# Altium PCB LimeSDR-QPCIe_1v2.PcbDoc (part 18 of 21) (continued)
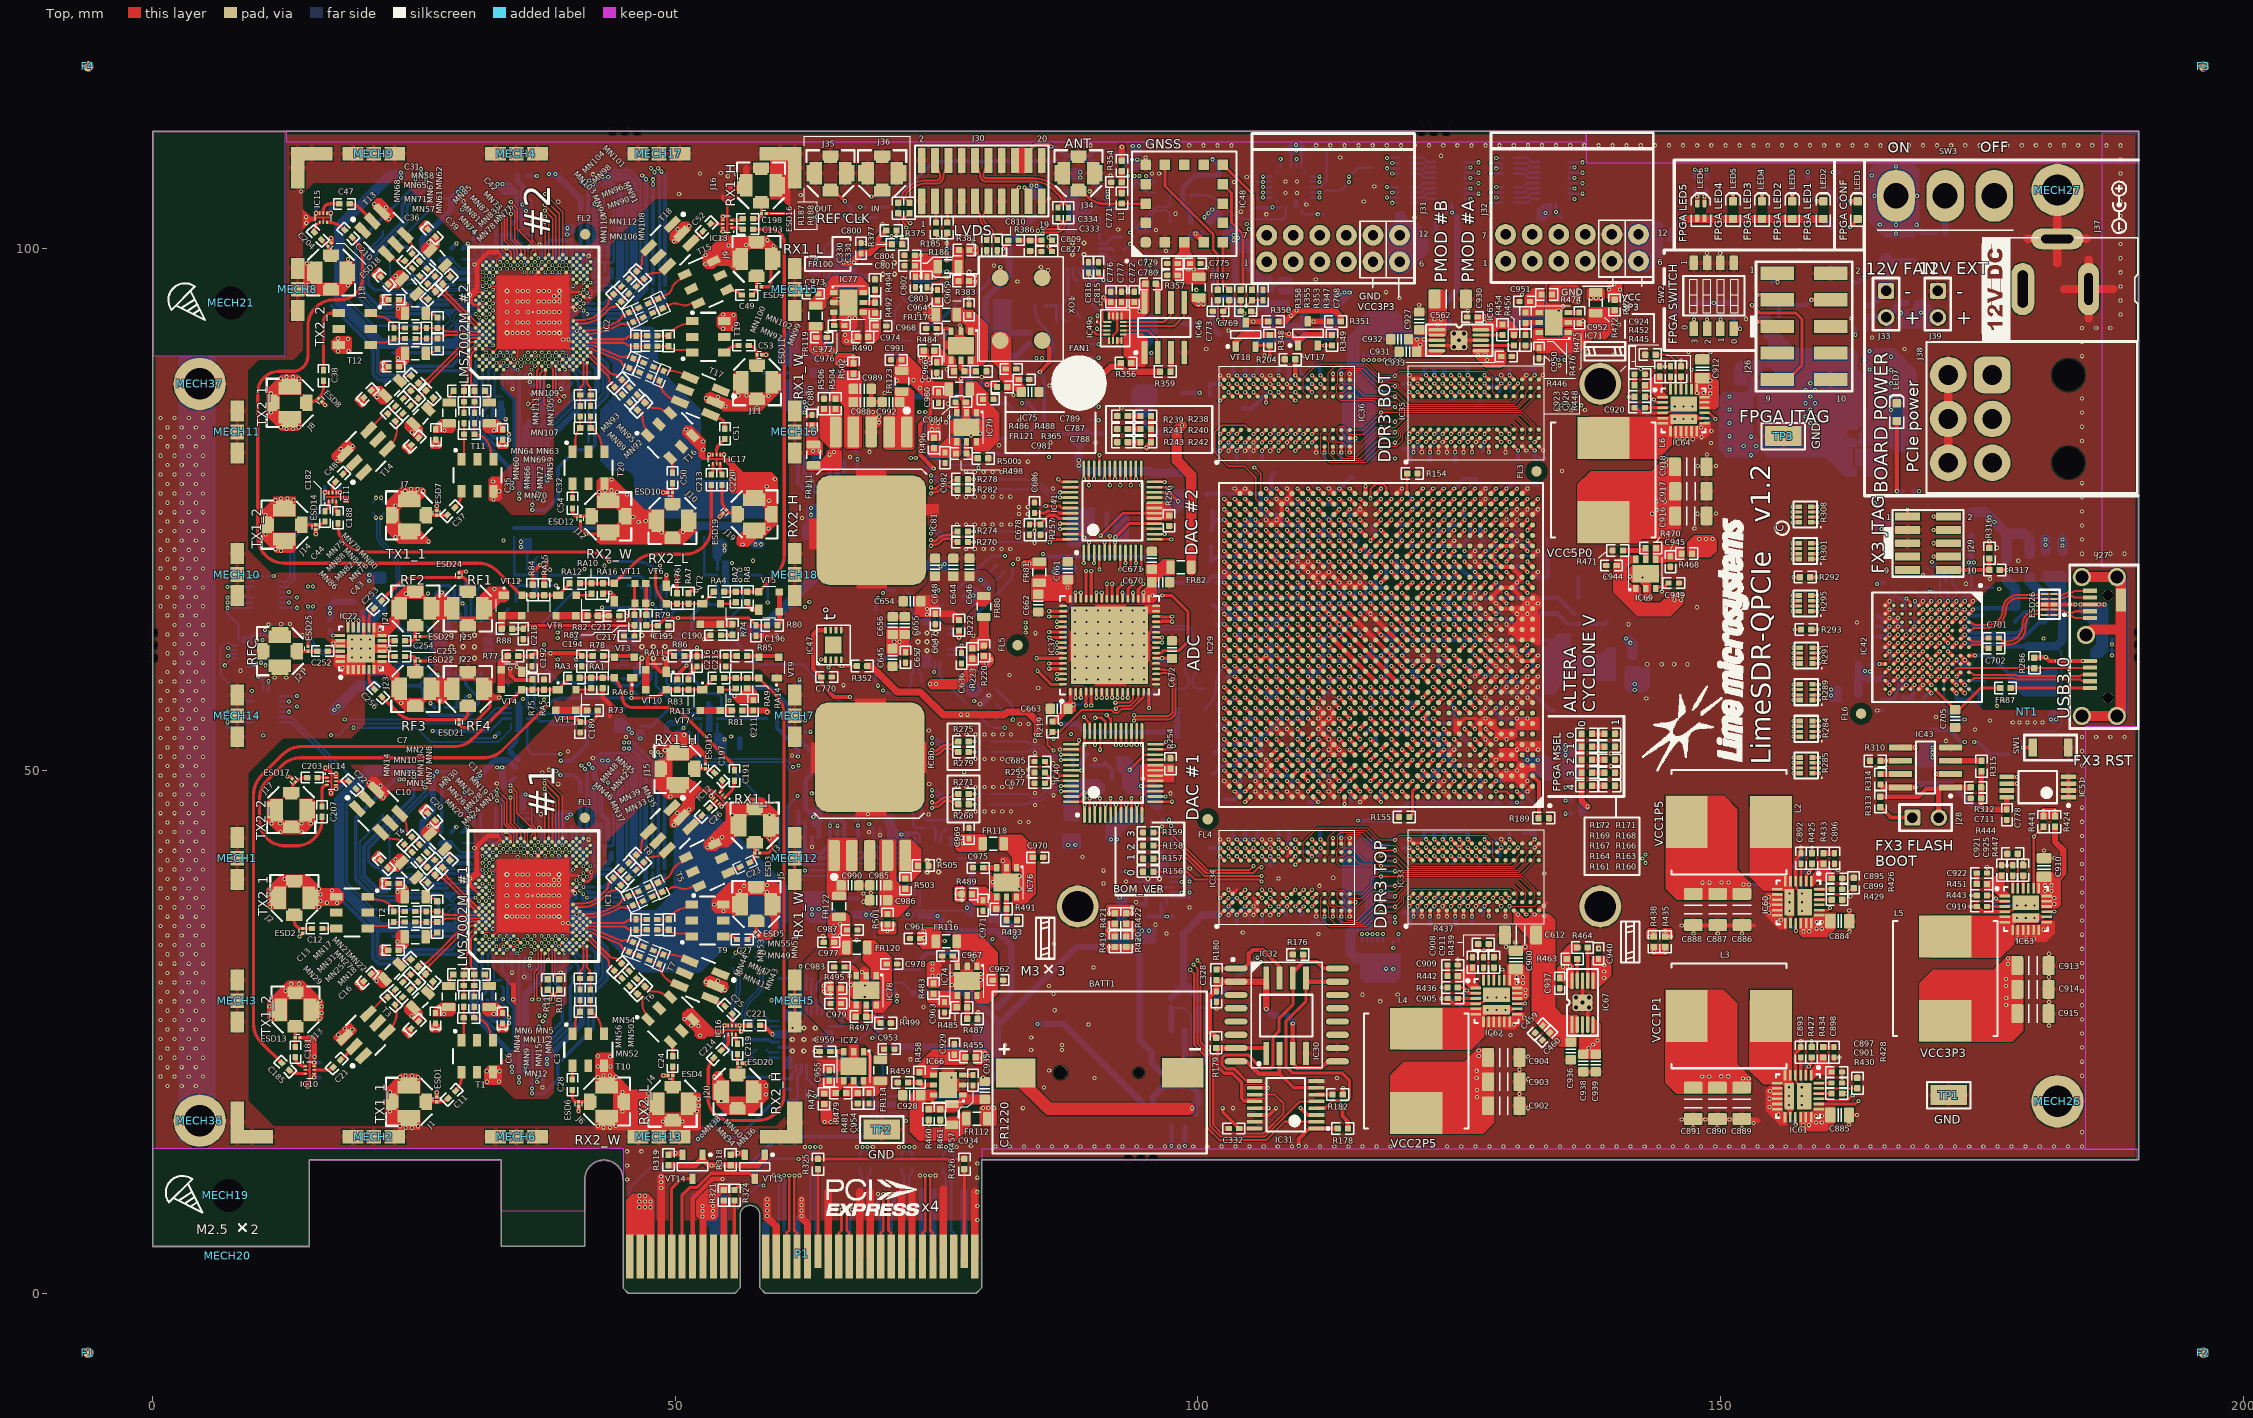
[diagram p0: Top view]
## Nets (pads, with @x,y where several pads share a name; then routed paths per layer and width w, separated by ;. In a path a pad name is that pad's centre, name@x,y a point inside that pad or via, vN(x,y) a via of type N, cw(c..) or ccw(c..) an arc to the next point about the centre after c; other vN are vias at no path point) (continued)
  Top w0.14: IC1.AN9@41.541,35.184 ccw(c41.708,35.351) 41.708,35.115 42.005,35.115
  Top w0.16: 42.005,35.115 42.26,35.115 ccw(c42.308,35.163) 42.308,35.095
  Top w0.2: 42.308,35.095 44.986,35.095 cw(c44.986,34.587) 45.345,34.946 45.378,34.914 ccw(c45.737,35.273) 45.737,34.765 MN53.1@46.229,34.765 MN49.2@47.279,34.765
RXRF11_WBB_N: MN51.1 MN55.1 T9.2 | length 3.9
  Top w0.2: MN55.1@48.279,35.765 49.329,35.765 cw(c49.612,35.765) 49.412,35.965 49.638,36.191 cw(c51.434,34.395) 51.434,36.935 T9.2@51.739,36.935
RXRF11_WBB_P: MN49.1 MN51.2 T9.1 | length 3.6
  Top w0.2: MN49.1@48.279,34.765 49.329,34.765 ccw(c50.222,35.658) 50.222,34.395 T9.1@51.739,34.395
RXRF12_HAB_N: IC1.AM8 MN44.1 MN47.2 | length 6.1
  Top w0.11: IC1.AM8@41.208,34.851 41.804,34.851
  Top w0.15: 41.804,34.851 cw(c41.804,33.792) 42.251,34.752
  Top w0.2: 42.283,34.77 42.485,34.676 ; 42.481,34.683 44.761,33.739 ; 44.724,33.754 ccw(c44.918,34.223) 45.112,33.754 45.155,33.771 cw(c45.349,33.302) 45.544,33.771 MN44.1@45.952,33.602 MN47.2@46.968,33.181
RXRF12_HAB_P: IC1.AN7 MN41.2 MN44.2 | length 5.6
  Top w0.14: IC1.AN7@41.541,34.518 cw(c41.705,34.354) 41.705,34.586
  Top w0.15: 41.705,34.586 41.76,34.586 cw(c41.76,33.774) 42.103,34.51
  Top w0.2: 42.13,34.465 42.333,34.371 ; 42.342,34.372 44.594,33.44 cw(c44.399,32.97) 44.868,33.165 44.886,33.122 ccw(c45.355,33.317) 45.161,32.847 MN44.2@45.57,32.678 MN41.2@46.586,32.257
RXRF12_HBB_N: MN43.1 MN47.1 T7.6 | length 3.7
  Top w0.2: MN47.1@47.892,32.798 MN43.1@48.862,32.397 ; MN43.1@48.862,32.397 49.489,32.397 cw(c49.489,29.857) T7.6@51.285,31.653
RXRF12_HBB_P: MN41.1 MN43.2 T7.4 | length 4.5
  Top w0.2: MN41.1@47.51,31.874 47.879,31.721 MN43.2@48.48,31.473 ccw(c50.265,31.473) 49.003,30.211 49.026,30.187 ccw(c50.822,31.983) T7.4@50.822,29.443
RXRF12_LAB_N: IC1.AP6 MN38.1 MN40.2 | length 5.1
  Top w0.2: IC1.AP6@41.874,34.185 41.909,34.15 cw(c41.75,33.992) 41.974,33.992 43.758,32.208 ccw(c44.117,32.567) 44.117,32.059 44.163,32.059 cw(c44.163,31.551) 44.522,31.911 MN38.1@44.871,31.563 MN40.2@45.613,30.82
RXRF12_LAB_P: IC1.AN5 MN34.2 MN38.2 | length 5.1
  Top w0.2: IC1.AN5@41.541,33.852 41.576,33.817 ccw(c41.734,33.976) 41.734,33.752 43.518,31.968 cw(c43.159,31.609) 43.667,31.609 43.667,31.563 ccw(c44.175,31.563) 43.815,31.204 MN38.2@44.163,30.855 MN34.2@44.906,30.113
RXRF12_LBB_N: MN36.1 MN40.1 T6.2 | length 3.7
  Top w0.2: MN40.1@46.32,30.113 47.063,29.371 MN36.1@47.088,29.345 47.31,29.123 ccw(c47.933,29.746) 47.933,28.865 48.026,28.865 cw(c48.026,27.341) 49.103,28.419 T6.2@49.311,28.211
RXRF12_LBB_P: MN34.1 MN36.2 T6.1 | length 3.7
  Top w0.2: MN34.1@45.613,29.406 45.896,29.123 46.355,28.663 46.603,28.416 cw(c45.98,27.793) 46.861,27.793 46.861,27.7 ccw(c48.385,27.7) 47.307,26.623 T6.1@47.515,26.415
RXRF12_WAB_N: IC1.AM4 MN54.2 MN56.2 | length 4.6
  Top w0.11: 41.208,32.965 IC1.AM4@41.208,33.519
  Top w0.2: MN56.2@40.874,29.047 MN54.2@40.875,30.097 40.874,30.589 cw(c41.382,30.589) 41.023,30.948 41.056,30.981 ccw(c40.696,31.34) 41.204,31.34 41.204,32.814 41.208,32.818 41.208,32.965
RXRF12_WAB_P: IC1.AN3 MN50.2 MN54.1 | length 4.2
  Top w0.2: IC1.AN3@41.541,33.186 41.541,32.822 41.544,32.818 41.544,31.34 ccw(c42.052,31.34) 41.693,30.981 41.726,30.948 cw(c41.366,30.589) 41.874,30.589 MN54.1@41.874,30.097 MN50.2@41.874,29.047
RXRF12_WBB_N: MN52.1 MN56.1 T10.1 | length 3.5
  Top w0.2: T10.1@40.429,24.587 40.429,25.85 cw(c41.966,25.85) MN52.1@40.88,26.937 ; MN52.1@40.874,26.997 40.874,27.647 MN56.1@40.874,28.047
RXRF12_WBB_P: MN50.1 MN52.2 T10.2 | length 3.8
  Top w0.2: MN52.2@41.874,26.997 MN50.1@41.874,28.047 ; MN52.2@41.879,26.937 cw(c41.879,26.487) 42.197,26.805 42.201,26.802 cw(c40.404,25.006) 42.944,25.006 T10.2@42.944,24.587
RXRF21_HAB_N: IC2.AJ15 MN103.1 MN104.2 | length 6.1
  Top w0.2: IC2.AJ15@40.236,93.019 cw(c40.477,92.778) 40.477,93.119 40.968,93.119 41.052,93.119 ccw(c41.052,95.684) 42.865,93.87 43.465,94.47 ccw(c43.106,94.829) 43.614,94.829 43.614,94.875 cw(c44.122,94.875) 43.763,95.235 MN103.1@44.111,95.583 MN104.2@44.854,96.325
RXRF21_HAB_P: IC2.AK14 MN98.2 MN103.2 | length 6
  Top w0.2: IC2.AK14@40.569,92.686 cw(c40.81,92.445) 40.81,92.786 40.985,92.786 41.069,92.786 ccw(c41.069,95.667) 43.106,93.63 43.706,94.23 cw(c44.065,93.871) 44.065,94.379 44.111,94.379 ccw(c44.111,94.887) 44.47,94.527 MN103.2@44.818,94.876 MN98.2@45.561,95.618
RXRF21_HBB_N: MN101.1 MN104.1 T18.6 | length 3.7
  Top w0.2: MN104.1@45.561,97.032 MN101.1@46.303,97.775 46.328,97.8 46.551,98.022 ccw(c45.928,98.645) 46.809,98.645 ; 46.809,98.645 46.809,98.738 cw(c48.333,98.738) 47.255,99.816 T18.6@47.463,100.023
RXRF21_HBB_P: MN98.1 MN101.2 T18.4 | length 3.7
  Top w0.2: MN98.1@46.268,96.325 46.551,96.608 MN101.2@47.01,97.068 47.258,97.315 ; 47.283,97.34 cw(c47.906,96.717) 47.906,97.598 47.998,97.598 ccw(c47.998,99.122) 49.076,98.045 T18.4@49.284,98.252
RXRF21_LAB_N: IC2.AM12 MN94.1 MN96.2 | length 5.8
  Top w0.2: IC2.AM12@41.291,91.993 cw(c41.532,91.751) 41.532,92.093 ccw(c41.511,97.096) 43.485,92.499 44.541,92.991 ; 44.57,93.005 ccw(c44.355,93.465) 44.832,93.291 44.848,93.334 cw(c45.325,93.161) 45.111,93.621 MN94.1@45.557,93.829 MN96.2@46.509,94.273
RXRF21_LAB_P: IC2.AN11 MN90.2 MN94.2 | length 5.7
  Top w0.2: IC2.AN11@41.568,91.687 cw(c41.809,91.446) 41.809,91.787 ccw(c41.655,96.788) 43.628,92.19 44.713,92.696 cw(c44.928,92.236) 45.102,92.713 45.145,92.698 ccw(c45.319,93.175) 45.533,92.715 MN94.2@45.98,92.923 MN90.2@46.931,93.366
RXRF21_LBB_N: MN91.1 MN96.1 T15.2 | length 4.6
  Top w0.2: MN96.1@47.415,94.695 MN91.1@48.366,95.139 ; 49.639,96.034 cw(c48.811,96.336) 49.184,95.537 48.684,95.287 ; 49.639,96.034 49.671,96.121 cw(c51.103,95.6) 50.459,96.981 T15.2@50.725,97.105 ; MN91.1@48.366,95.139 48.684,95.287 ; MN91.1@48.366,95.139 48.684,95.287
RXRF21_LBB_P: MN90.1 MN91.2 T15.1 | length 4.6
  Top w0.2: MN90.1@47.837,93.789 48.2,93.958 MN91.2@48.789,94.233 ; T15.1@51.799,94.803 51.416,94.625 cw(c50.903,95.726) 50.488,94.585 50.28,94.66 ccw(c49.979,93.832) 49.606,94.631 49.106,94.381 ; MN91.2@48.789,94.233 49.106,94.381 ; MN91.2@48.789,94.233 49.106,94.381
RXRF21_WAB_N: IC2.AP10 MN110.2 MN112.2 | length 5.5
  Top w0.16: IC2.AP10@41.901,91.354 ccw(c42.147,91.6) 42.147,91.252 42.282,91.252 cw(c42.33,91.204) 42.33,91.272
  Top w0.2: 42.33,91.272 45.013,91.272 ccw(c45.013,91.78) 45.372,91.421 45.404,91.453 cw(c45.763,91.094) 45.763,91.602 MN110.2@46.256,91.602 MN112.2@47.306,91.602
RXRF21_WAB_P: IC2.AN9 MN106.2 MN110.1 | length 5.9
  Top w0.14: IC2.AN9@41.568,91.021 ccw(c41.734,91.188) 41.734,90.952 42.032,90.952
  Top w0.16: 42.032,90.952 42.286,90.952 ccw(c42.335,91) 42.335,90.932
  Top w0.2: 42.335,90.932 45.013,90.932 cw(c45.013,90.424) 45.372,90.783 45.404,90.751 ccw(c45.764,91.11) 45.764,90.602 MN110.1@46.256,90.602 MN106.2@47.306,90.602
RXRF21_WBB_N: MN108.1 MN112.1 T19.2 | length 3.9
  Top w0.2: MN112.1@48.306,91.602 MN108.1@49.356,91.602 cw(c49.639,91.602) 49.439,91.802 49.664,92.028 cw(c51.46,90.232) 51.46,92.772 T19.2@51.766,92.772
RXRF21_WBB_P: MN106.1 MN108.2 T19.1 | length 3.6
  Top w0.2: MN106.1@48.306,90.602 MN108.2@49.356,90.602 ccw(c50.249,91.495) 50.249,90.232 T19.1@51.766,90.232
RXRF22_HAB_N: IC2.AM8 MN100.1 MN102.2 | length 6.1
  Top w0.11: IC2.AM8@41.235,90.688 41.83,90.688
  Top w0.15: 41.83,90.688 cw(c41.83,89.629) 42.278,90.589
  Top w0.2: 42.309,90.607 42.512,90.513 ; 42.508,90.52 44.787,89.576 ; 44.75,89.591 ccw(c44.945,90.06) 45.139,89.591 45.181,89.608 cw(c45.376,89.139) 45.57,89.608 MN100.1@45.979,89.439 MN102.2@46.995,89.018
RXRF22_HAB_P: IC2.AN7 MN97.2 MN100.2 | length 5.6
  Top w0.14: IC2.AN7@41.568,90.355 cw(c41.732,90.191) 41.732,90.423
  Top w0.15: 41.732,90.423 41.787,90.423 cw(c41.787,89.611) 42.13,90.347
  Top w0.2: 42.157,90.302 42.36,90.208 ; 42.369,90.209 44.62,89.277 cw(c44.426,88.807) 44.895,89.002 44.913,88.959 ccw(c45.382,89.154) 45.188,88.684 MN100.2@45.596,88.515 MN97.2@46.612,88.094
RXRF22_HBB_N: MN99.1 MN102.1 T17.6 | length 3.7
  Top w0.2: MN102.1@47.919,88.635 MN99.1@48.889,88.234 49.516,88.234 cw(c49.516,85.694) T17.6@51.312,87.49
RXRF22_HBB_P: MN97.1 MN99.2 T17.4 | length 4.5
  Top w0.2: MN97.1@47.536,87.712 47.906,87.558 MN99.2@48.506,87.31 ccw(c50.291,87.31) 49.029,86.048 49.053,86.024 ccw(c50.849,87.82) T17.4@50.849,85.28
RXRF22_LAB_N: IC2.AP6 MN93.1 MN95.2 | length 5.1
  Top w0.2: IC2.AP6@41.901,90.022 41.935,89.988 cw(c41.777,89.829) 42.001,89.829 43.785,88.045 ccw(c44.144,88.404) 44.144,87.896 44.19,87.896 cw(c44.19,87.389) 44.549,87.748 MN93.1@44.897,87.4 MN95.2@45.64,86.657
RXRF22_LAB_P: IC2.AN5 MN89.2 MN93.2 | length 5.1
  Top w0.2: IC2.AN5@41.568,89.689 41.602,89.655 ccw(c41.76,89.813) 41.76,89.589 43.544,87.805 cw(c43.185,87.446) 43.693,87.446 43.693,87.4 ccw(c44.201,87.4) 43.842,87.041 MN93.2@44.19,86.693 MN89.2@44.933,85.95
RXRF22_LBB_N: MN92.1 MN95.1 T16.2 | length 3.7
  Top w0.2: MN95.1@46.347,85.95 MN92.1@47.089,85.208 47.114,85.182 47.337,84.96 ccw(c47.96,85.583) 47.959,84.702 48.053,84.702 cw(c48.053,83.178) 49.13,84.256 T16.2@49.338,84.048
RXRF22_LBB_P: MN89.1 MN92.2 T16.1 | length 3.7
  Top w0.2: MN89.1@45.64,85.243 45.923,84.96 MN92.2@46.382,84.5 46.63,84.253 cw(c46.007,83.63) 46.888,83.63 46.888,83.537 ccw(c48.412,83.537) 47.334,82.46 T16.1@47.542,82.252
RXRF22_WAB_N: IC2.AM4 MN109.2 MN111.2 | length 4.6
  Top w0.11: 41.235,88.802 IC2.AM4@41.235,89.356
  Top w0.2: MN111.2@40.901,84.884 MN109.2@40.901,85.934 40.901,86.426 cw(c41.409,86.426) 41.05,86.785 41.082,86.818 ccw(c40.723,87.177) 41.231,87.177 41.231,88.651 41.235,88.655 41.235,88.802
RXRF22_WAB_P: IC2.AN3 MN105.2 MN109.1 | length 4.2
  Top w0.2: IC2.AN3@41.568,89.023 41.568,88.659 41.571,88.656 41.571,87.177 ccw(c42.079,87.177) 41.72,86.818 41.752,86.785 cw(c41.393,86.426) 41.901,86.426 MN109.1@41.901,85.934 MN105.2@41.901,84.884
RXRF22_WBB_N: MN107.1 MN111.1 T20.1 | length 3.5
  Top w0.2: T20.1@40.431,80.424 40.431,81.627 cw(c42.053,81.627) MN107.1@40.906,82.774 ; MN107.1@40.901,82.834 40.901,83.484 MN111.1@40.901,83.884
RXRF22_WBB_P: MN105.1 MN107.2 T20.2 | length 3.8
  Top w0.2: MN107.2@41.901,82.834 MN105.1@41.901,83.884 ; MN107.2@41.906,82.774 cw(c41.906,82.324) 42.224,82.642 42.227,82.639 cw(c40.431,80.843) 42.971,80.843 T20.2@42.971,80.424
SI5351_XTAL_N: C864.2 IC57.2 XT2.3 | length 6.3
  L3 w0.1: v1(111.625,106.325) 111.775,106.475 114.325,106.475 v1(114.475,106.325)
  Bottom w0.254: IC57.2@110.85,106.325 v1(111.625,106.325) ; C864.2@112.275,105.475 XT2.3@113.625,105.475 v1@114.45,106.3
SI5351_XTAL_P: C861.2 IC57.1 XT2.1 | length 6.3
  L3 w0.1: v1(111.625,106.825) 111.775,106.675 114.325,106.675 v1(114.475,106.825)
  Bottom w0.254: IC57.1@110.85,106.825 v1(111.625,106.825) ; v1@114.5,106.85 XT2.1@115.325,107.675 C861.2@116.675,107.675
SI_CLK0: IC29.P22 IC57.13 | length 50.1
  Top w0.4: v2(110.525,61) IC29.P22@111.025,60.5
  L12 w0.1: v1(106.225,105.825) cw(c106.225,104.075) 107.975,104.075 107.975,93.852 cw(c105.435,93.852) 107.231,92.056 106.444,91.269 ccw(c108.24,89.473) 105.7,89.473 105.7,80.85 ccw(c106.907,80.85) 106.054,79.996 106.181,79.869 cw(c104.385,78.073) 106.925,78.073 106.925,68.375 ccw(c107.601,68.375) 107.123,67.897 110.816,64.204 cw(c110.313,63.7) 111.025,63.7 111.025,62.207 cw(c109.318,62.207) v2(110.525,61)
  Bottom w0.254: v1(106.225,105.825) IC57.13@107,105.825
SI_CLK1: IC29.P23 IC57.12 | length 49.4
  Top w0.4: v2(109.525,61) IC29.P23@110.025,60.5
  L12 w0.1: 106.031,91.956 105.644,91.569 ccw(c107.44,89.773) 104.9,89.773 104.9,80.818 ccw(c106.03,80.818) 105.231,80.019 cw(c103.435,78.223) 105.975,78.223 105.975,68.536 ccw(c107.161,68.536) 106.175,67.877 ccw(c107.161,68.536) 106.322,67.697 109.8,64.22 cw(c109.378,63.797) 109.975,63.797 109.975,62.086 cw(c108.439,62.086) v2(109.525,61) ; 106.031,91.956 ccw(c104.235,93.752) 106.775,93.752 106.775,94.798 ccw(c104.235,94.798) 106.031,96.594 cw(c107.615,98.178) 105.375,98.178 105.375,101.497 cw(c107.915,101.497) 106.031,103.201 cw(c107.915,101.497) 106.119,103.293 106.15,103.325 ccw(c104.48,104.825) 106.637,104.204 ccw(c104.48,104.825) 106.725,104.825 ccw(c106.225,104.825) v1(106.225,105.325)
  Bottom w0.254: v1(106.225,105.325) IC57.12@107,105.325
SI_CLK2: IC56.5 IC57.9 | length 10.8
  Bottom w0.254: IC56.5@99.325,105.075 100.425,105.075 cw(c100.425,102.535) 102.221,104.331 103.058,103.494 ccw(c104.854,105.29) 104.854,102.75 107.925,102.75 ccw(c107.925,103.25) 108.425,103.25 IC57.9@108.425,103.9
SI_CLK4: IC57.19 R374.2 | length 45.1
  L12 w0.1: v1(67.7,103.925) 74.998,103.925 ccw(c74.998,106.465) 76.794,104.669 80.381,108.256 cw(c82.177,106.46) 82.177,109 108.278,109 cw(c108.278,107.378) v1(109.425,108.525)
  Bottom w0.254: v1(67.7,103.925) R374.2@68.3,103.925 ; IC57.19@109.425,107.75 v1(109.425,108.525)
SI_CLK6: IC29.AB18 IC57.16 | length 49.2
  Top w0.4: v2(114.525,69) IC29.AB18@115.025,68.5
  L12 w0.1: v1(107.925,108.525) ccw(c109.675,110.275) 109.675,107.8 110.41,107.8 cw(c110.41,105.26) 112.95,105.26 112.95,91.402 ccw(c115.49,91.402) 113.694,89.606 117.835,85.465 cw(c117.195,84.825) 118.1,84.825 118.1,70.445 cw(c117.18,70.445) 117.18,69.525 115.625,69.525 ccw(c115.625,68.137) 114.643,69.118 v2(114.525,69)
  Bottom w0.254: IC57.16@107.925,107.75 v1(107.925,108.525)
SI_CLK7: IC29.AC15 IC57.15 | length 43.1
  Top w0.4: v2(117.525,70) IC29.AC15@118.025,69.5
  L12 w0.1: v1(106.225,106.825) 106.323,106.825 cw(c106.323,104.285) 108.119,106.081 109.157,105.043 cw(c108.389,104.275) 109.475,104.275 109.475,103.88 ccw(c110.755,103.88) 109.494,103.661 ccw(c110.755,103.88) 109.85,102.975 cw(c108.719,101.844) 110.302,102.071 cw(c108.719,101.844) 110.319,101.844 110.319,90.884 ccw(c112.859,90.884) 111.063,89.087 116.306,83.844 cw(c114.51,82.048) 117.05,82.048 117.05,71.147 ccw(c118.672,71.147) v2(117.525,70)
  Bottom w0.254: v1(106.225,106.825) IC57.15@107,106.825
SI_CLKIN: IC52.18 R412.1 | length 9.8
  Bottom w0.2: R412.1@66,101.725 64.25,99.975 64.25,97.116 65.189,96.177 67.04,96.177 67.663,96.8 IC52.18@68.025,96.8
SR_DIN: IC7.14 IC9.12 | length 8.5
  Bottom w0.2: IC9.12@8.025,61.95 7.625,61.95 7.35,62.225 6.975,62.225 6.475,61.725 6.475,59.2 9.05,56.625
  Bottom w0.25: 9.05,56.625 IC7.14@9.526,56.625
SR_DIN_LS: IC9.1 IC29.AJ5 | length 213.2
  Top w0.4: IC29.AJ5@128.025,75.5 v1(128.525,76)
  L6 w0.1: v1(9.95,62.5) 10.3,62.15 12.625,62.15 14.3,63.825 19.95,63.825 29.575,73.45 29.575,96.45 32.125,99 32.125,104.25 36.9,109.025 39.3,109.025 40.45,110.175 47.025,110.175 47.15,110.3 100.675,110.3 103.225,107.75 116.95,107.75 118.5,106.2 126.275,106.2 126.575,106.5 133.8,106.5 135.85,108.55 136.95,108.55 140.775,104.725 140.775,98.288 140.087,97.6 138.158,97.6 137.733,97.175 135.858,97.175 133.975,95.292 133.975,87.301 133.775,87.101 133.775,81.899 133.975,81.699 133.975,76.025 133.35,75.4 129.125,75.4 v1(128.525,76)
  Bottom w0.2: IC9.1@9.525,61.95 9.834,61.95 9.959,62.075 9.959,62.491 v1(9.95,62.5)
SR_DOUT: IC7.9 IC8.14 | length 18.5
  L10 w0.1: v1(7.15,67.575) 7.825,66.9 7.825,56.102 v1(10.576,53.351)
  Bottom w0.25: v1(7.15,67.575) IC8.14@9.526,67.575 ; v1(10.576,53.351) IC7.9@10.576,53.8
SR_LATCH: IC7.12 IC8.12 IC9.10 | length 17.1
  L10 w0.1: v1(7.15,55.625) 7.375,55.85 7.375,60.825 v1(7.225,60.975) 6.75,61.45 6.75,66.175 v1(7.15,66.575)
  Bottom w0.2: v1(7.225,60.975) 7.4,61.15 IC9.10@8.025,61.15
  Bottom w0.25: v1(7.15,55.625) IC7.12@9.526,55.625 ; v1(7.15,66.575) IC8.12@9.526,66.575
SR_LATCH_LS: IC9.3 IC29.B26 | length 133.1
  Top w0.4: v2(106.525,49) IC29.B26@107.025,48.5
  L10 w0.1: v1(10.8,60.075) 11.442,60.075 11.692,60.325 12.683,60.325 13.114,59.893 13.125,59.893 16,57.018 16,55.151 19.326,51.825 27.251,51.825 28.887,50.19 28.887,47.573 29.443,47.016 31.56,47.016 33.526,45.05 38.516,45.05 39.541,46.075 46.224,46.075 49.049,48.9 69.149,48.9 88.249,29.8 99.912,29.8 101.325,31.213 101.325,45.295 104.68,48.65 105.75,48.65 106.1,49 v2(106.525,49)
  Bottom w0.2: IC9.3@9.575,61.15 10.125,61.15 10.8,60.475 v1(10.8,60.075)
SR_SCLK: IC7.11 IC8.11 IC9.11 | length 17.4
  L10 w0.1: v1(7.15,55.125) 7.625,55.6 7.625,61.325 v1(7.225,61.725) 7.225,64.875 7.6,65.25 7.6,65.825 7.35,66.075 v1(7.15,66.075)
  Bottom w0.2: v1(7.225,61.725) 7.4,61.55 IC9.11@8.025,61.55
  Bottom w0.25: v1(7.15,55.125) IC7.11@9.526,55.125 ; v1(7.15,66.075) IC8.11@9.526,66.075
SR_SCLK_LS: IC9.2 IC29.AA13 | length 228.5
  Top w0.4: IC29.AA13@120.025,67.5 v2(120.525,68)
  L6 w0.1: v1(10.5,62.5) 10.5,62.825 10.25,63.075 10.25,63.75 10.925,64.425 17.6,64.425 18.275,65.1 20.45,65.1 28.975,73.625 28.975,97.725 31.55,100.3 31.55,105.725 32.475,106.65 34.242,106.65 36.817,109.225 39.217,109.225 40.367,110.375 46.942,110.375 47.067,110.5 101.775,110.5 104.325,107.95 117.033,107.95 118.583,106.4 126.192,106.4 126.492,106.7 133.717,106.7 135.767,108.75 137.033,108.75 140.975,104.808 140.975,98.205 140.17,97.4 138.241,97.4 137.816,96.975 135.941,96.975 134.175,95.209 134.175,87.219 133.975,87.019 133.975,81.981 134.175,81.781 134.175,75.125 133.488,74.437 126.306,74.437 126.125,74.257 126.125,73.817 125.733,73.425 125.293,73.425 125.105,73.237 125.105,72.797 124.733,72.425 124.445,72.425 123.67,71.65 122.953,71.65 122.728,71.425 122.233,71.425 121.954,71.146 121.954,70.879 121.625,70.55 121.3,70.55 121.025,70.275 121.025,68.5 v2(120.525,68)
  Bottom w0.2: IC9.2@9.575,61.55 10,61.55 10.5,62.05 v1(10.5,62.5)
TCXO_DAC_VREF: C831.2 C832.1 IC54.2 R406.1 R408.1 R409.1 | length 6.9
  Bottom w0.3: IC54.2@79.989,81.805 C831.2@83.305,81.805 ; C831.2@83.3,81.8 C831.2@83.305,81.805 ; R406.1@83.375,84.525 84.35,83.55 84.35,82.85 C831.2@83.305,81.805
TX1_BB_I_N: R252.2 R271.2 R273.2 | length 1.6
  Top w0.2: R271.2@78.08,47.77 v1(78.63,47.77)
  Bottom w0.2: R273.2@78.08,47.77 v1(78.63,47.77) R252.2@79.18,47.77
TX1_BB_I_P: R244.2 R268.2 R269.2 | length 1.7
  Top w0.2: R268.2@78.08,46.77 v1(78.63,46.77)
  Bottom w0.2: R269.2@78.08,46.77 v1(78.63,46.77) R244.2@79.18,46.77
TX1_BB_Q_N: R266.2 R279.2 R281.2 | length 1.6
  Top w0.2: R279.2@78.08,51.78 v1(78.63,51.78)
  Bottom w0.2: R281.2@78.08,51.78 R266.2@79.18,51.78
TX1_BB_Q_P: R258.2 R275.2 R277.2 | length 1.7
  Top w0.2: R275.2@78.08,52.78 v1(78.63,52.78)
  Bottom w0.2: R277.2@78.08,52.78 R258.2@79.18,52.78
TX2_BB_I_N: R253.2 R274.2 R276.2 | length 1.6
  Top w0.2: R274.2@78.005,72.87 v1(78.555,72.87)
  Bottom w0.2: R276.2@78.005,72.87 v1(78.555,72.87) R253.2@79.105,72.87
TX2_BB_I_P: R245.2 R270.2 R272.2 | length 1.7
  Top w0.2: R270.2@78.005,71.87 v1(78.555,71.87)
  Bottom w0.2: R272.2@78.005,71.87 v1(78.555,71.87) R245.2@79.105,71.87
TX2_BB_Q_N: R267.2 R282.2 R283.2 | length 1.6
  Top w0.2: R282.2@78.005,76.88 v1(78.555,76.88)
  Bottom w0.2: R283.2@78.005,76.88 R267.2@79.105,76.88
TX2_BB_Q_P: R259.2 R278.2 R280.2 | length 1.7
  Top w0.2: R278.2@78.005,77.88 v1(78.555,77.88)
  Bottom w0.2: R280.2@78.005,77.88 R259.2@79.105,77.88
TXRF11_1AB_N: IC1.A7 MN5.1 MN11.1 MN15.1 | length 6.4
  Top w0.2: MN15.1@30.759,28.396 MN11.1@30.759,29.446 30.759,30.096 MN5.1@30.759,30.496 30.759,30.685 ccw(c30.251,30.685) 30.611,31.044 30.578,31.077 cw(c30.937,31.436) 30.429,31.436 30.429,33.765 cw(c31.03,33.765) 30.605,34.19 30.85,34.435 30.85,34.483 IC1.A7@30.885,34.518
TXRF11_1AB_P: IC1.B8 MN6.1 MN9.2 MN11.2 | length 7.2
  Top w0.11: 30.523,34.623 30.673,34.773 cw(c30.862,34.583) 30.862,34.851 IC1.B8@31.218,34.851
  Top w0.2: MN9.2@29.759,28.396 MN11.2@29.759,29.446 MN6.1@29.759,30.496 29.759,30.685 cw(c30.267,30.685) 29.908,31.044 29.941,31.077 ccw(c29.581,31.436) 30.089,31.436 30.089,33.765 cw(c31.03,33.765) 30.365,34.43 30.515,34.58
TXRF11_1BB_N: MN12.1 MN15.2 T1.2 | length 4.2
  Top w0.2: MN15.2@30.759,27.396 MN12.1@30.759,26.346 cw(c30.759,24.946) 31.749,25.936 cw(c30.348,24.535) 32.329,24.535 T1.2@32.329,24.078
TXRF11_1BB_P: MN9.1 MN12.2 T1.1 | length 3.5
  Top w0.2: MN9.1@29.759,27.396 29.759,26.996 MN12.2@29.759,26.346 29.759,24.008 ccw(c29.862,24.008) T1.1@29.789,23.936
TXRF11_2AB_N: IC1.B10 MN21.1 MN27.2 MN31.2 | length 10.2
  Top w0.19: 30.717,35.565 31.102,35.565 cw(c31.102,35.401) IC1.B10@31.218,35.517
  Top w0.2: MN31.2@23.924,29.757 MN27.2@24.667,30.499 25.126,30.959 MN21.1@25.409,31.241 25.543,31.376 cw(c25.903,31.016) 25.903,31.524 25.948,31.524 ccw(c25.948,32.032) 26.308,31.673 ; 26.353,31.719 29.833,35.199 cw(c30.717,34.315) 30.717,35.565 ; 26.421,31.786 26.855,32.221
TXRF11_2AB_P: IC1.A9 MN22.1 MN25.2 MN27.1 | length 8.9
  Top w0.2: MN25.2@24.631,29.049 MN27.1@25.374,29.792 25.834,30.252 MN22.1@26.116,30.534 26.25,30.668 ccw(c25.891,31.028) 26.399,31.028 26.399,31.073 cw(c26.907,31.073) 26.548,31.433 ; 26.594,31.478 30.08,34.964 cw(c30.61,34.434) 30.61,35.184 IC1.A9@30.885,35.184
TXRF11_2BB_N: MN29.1 MN31.1 T3.4 | length 3.5
  Top w0.2: T3.4@20.626,26.747 22.143,28.264 cw(c22.247,28.16) 22.247,28.307 MN29.1@22.475,28.307 MN31.1@23.217,29.049
TXRF11_2BB_P: MN25.1 MN29.2 T3.6 | length 4
  Top w0.2: T3.6@22.422,24.951 22.617,25.146 ccw(c20.821,26.942) 22.63,25.159 ccw(c20.821,26.942) 22.674,25.204 ccw(c20.821,26.942) 23.361,26.942 23.361,27.168 ccw(c22.75,27.168) MN29.2@23.182,27.6 MN25.1@23.924,28.342
TXRF12_1AB_N: IC1.C11 MN7.1 MN13.1 MN16.1 | length 6.5
  Top w0.11: 31.045,35.85 IC1.C11@31.551,35.85
  Top w0.14: 30.296,35.841 30.305,35.85 31.045,35.85
  Top w0.2: MN16.1@25.121,35.511 MN13.1@26.171,35.511 26.821,35.511 MN7.1@27.221,35.511 27.41,35.511 ccw(c27.41,36.019) 27.769,35.659 27.802,35.692 cw(c28.161,35.333) 28.161,35.841 30.296,35.841
TXRF12_1AB_P: IC1.B12 MN8.1 MN10.2 MN13.2 | length 6.2
  Top w0.14: 30.296,36.181 30.305,36.171 31.189,36.171 ccw(c31.189,36.212) IC1.B12@31.218,36.183
  Top w0.2: MN10.2@25.121,36.511 MN13.2@26.171,36.511 MN8.1@27.221,36.511 27.41,36.511 cw(c27.41,36.003) 27.769,36.362 27.802,36.329 ccw(c28.161,36.689) 28.161,36.181 30.296,36.181
TXRF12_1BB_N: MN14.1 MN16.2 T2.2 | length 3.6
  Top w0.2: T2.2@20.661,35.141 22.177,35.141 ccw(c22.177,36.404) MN14.1@23.071,35.511 MN16.2@24.121,35.511
TXRF12_1BB_P: MN10.1 MN14.2 T2.1 | length 4
  Top w0.2: T2.1@20.661,37.681 21.25,37.681 cw(c21.25,35.4) 22.863,37.013 cw(c22.36,36.511) MN14.2@23.071,36.511 23.721,36.511 MN10.1@24.121,36.511
TXRF12_2AB_N: IC1.B14 MN23.1 MN28.2 MN32.2 | length 7.4
  Top w0.2: MN32.2@26.243,42.198 MN28.2@26.986,41.455 MN23.1@27.728,40.713 27.862,40.579 cw(c27.503,40.22) 28.011,40.22 28.011,40.174 ccw(c28.519,40.174) 28.16,39.814 28.707,39.267 31.025,36.949 cw(c31.025,36.726) 31.183,36.884 IC1.B14@31.218,36.849
TXRF12_2AB_P: IC1.A13 MN24.1 MN26.2 MN28.1 | length 7.4
  Top w0.2: MN26.2@25.536,41.491 MN28.1@26.279,40.748 26.738,40.289 MN24.1@27.021,40.006 27.155,39.872 ccw(c27.514,40.231) 27.514,39.723 27.56,39.723 cw(c27.56,39.215) 27.919,39.574 28.467,39.027 30.785,36.709 ccw(c31.008,36.709) 30.85,36.551 IC1.A13@30.885,36.516
TXRF12_2BB_N: MN30.1 MN32.1 T4.4 | length 3.7
  Top w0.2: T4.4@23.634,45.896 23.842,45.688 cw(c22.764,44.611) 24.288,44.611 24.288,44.518 ccw(c25.169,44.518) 24.546,43.895 MN30.1@24.794,43.647 25.253,43.188 MN32.1@25.536,42.905
TXRF12_2BB_P: MN26.1 MN30.2 T4.6 | length 3.7
  Top w0.2: T4.6@21.838,44.1 22.046,43.892 ccw(c23.123,44.97) 23.123,43.446 23.216,43.446 cw(c23.216,42.565) 23.839,43.188 MN30.2@24.087,42.94 MN26.1@24.829,42.198
TXRF21_1AB_N: IC2.A7 MN63.1 MN69.1 MN72.1 | length 6.4
  Top w0.2: MN72.1@30.786,84.233 MN69.1@30.786,85.283 30.786,85.933 MN63.1@30.786,86.333 30.786,86.522 ccw(c30.278,86.522) 30.637,86.881 30.605,86.914 cw(c30.964,87.273) 30.456,87.273 30.456,89.602 cw(c31.057,89.602) 30.632,90.027 30.877,90.272 30.877,90.32 IC2.A7@30.912,90.355
TXRF21_1AB_P: IC2.B8 MN64.1 MN66.2 MN69.2 | length 7.2
  Top w0.11: 30.549,90.46 30.699,90.61 cw(c30.889,90.42) 30.889,90.688 IC2.B8@31.245,90.688
  Top w0.2: MN66.2@29.786,84.233 MN69.2@29.786,85.283 MN64.1@29.786,86.333 29.786,86.522 cw(c30.294,86.522) 29.935,86.881 29.967,86.914 ccw(c29.608,87.273) 30.116,87.273 30.116,89.602 cw(c31.057,89.602) 30.392,90.267 30.542,90.417
TXRF21_1BB_N: MN70.1 MN72.2 T11.2 | length 4.2
  Top w0.2: MN72.2@30.786,83.233 MN70.1@30.786,82.183 cw(c30.786,80.783) 31.776,81.773 cw(c30.375,80.372) 32.356,80.372 T11.2@32.356,79.915
TXRF21_1BB_P: MN66.1 MN70.2 T11.1 | length 3.5
  Top w0.2: MN66.1@29.786,83.233 29.786,82.833 MN70.2@29.786,82.183 29.786,79.845 ccw(c29.888,79.845) T11.1@29.816,79.773
TXRF21_2AB_N: IC2.B10 MN79.1 MN84.2 MN88.2 | length 10.2
  Top w0.19: 30.744,91.402 31.129,91.402 cw(c31.129,91.238) IC2.B10@31.245,91.354
  Top w0.2: MN88.2@23.951,85.594 MN84.2@24.694,86.336 25.153,86.796 MN79.1@25.436,87.079 25.57,87.213 cw(c25.929,86.853) 25.929,87.361 25.975,87.361 ccw(c25.975,87.869) 26.334,87.51 ; 26.38,87.556 29.86,91.036 cw(c30.744,90.152) 30.744,91.402 ; 26.447,87.623 26.882,88.058
TXRF21_2AB_P: IC2.A9 MN80.1 MN82.2 MN84.1 | length 8.9
  Top w0.2: MN82.2@24.658,84.887 MN84.1@25.401,85.629 25.86,86.089 MN80.1@26.143,86.371 26.277,86.505 ccw(c25.918,86.865) 26.426,86.865 26.426,86.911 cw(c26.934,86.911) 26.575,87.27 ; 26.62,87.315 30.106,90.801 cw(c30.637,90.271) 30.637,91.021 IC2.A9@30.912,91.021
TXRF21_2BB_N: MN86.1 MN88.1 T14.4 | length 3.5
  Top w0.2: T14.4@20.653,82.584 22.169,84.101 cw(c22.274,83.997) 22.274,84.144 MN86.1@22.501,84.144 MN88.1@23.244,84.887
TXRF21_2BB_P: MN82.1 MN86.2 T14.6 | length 4
  Top w0.2: T14.6@22.449,80.788 22.644,80.983 ccw(c20.848,82.779) 22.657,80.996 ccw(c20.848,82.779) 22.7,81.041 ccw(c20.848,82.779) 23.388,82.779 23.388,83.005 ccw(c22.776,83.005) MN86.2@23.209,83.437 MN82.1@23.951,84.179
TXRF22_1AB_N: IC2.C11 MN61.1 MN67.1 MN71.1 | length 6.5
  Top w0.11: 31.072,91.687 IC2.C11@31.578,91.687
  Top w0.14: 30.323,91.678 30.332,91.687 31.072,91.687
  Top w0.2: MN71.1@25.147,91.348 MN67.1@26.197,91.348 26.847,91.348 MN61.1@27.247,91.348 27.437,91.348 ccw(c27.437,91.856) 27.796,91.496 27.828,91.529 cw(c28.188,91.17) 28.188,91.678 30.323,91.678
TXRF22_1AB_P: IC2.B12 MN62.1 MN65.2 MN67.2 | length 6.2
  Top w0.14: 30.323,92.018 30.332,92.008 31.216,92.008 ccw(c31.216,92.049) IC2.B12@31.245,92.02
  Top w0.2: MN65.2@25.147,92.348 MN67.2@26.197,92.348 MN62.1@27.247,92.348 27.437,92.348 cw(c27.437,91.84) 27.796,92.199 27.828,92.166 ccw(c28.188,92.526) 28.188,92.018 30.323,92.018
TXRF22_1BB_N: MN68.1 MN71.2 T12.2 | length 3.6
  Top w0.2: T12.2@20.687,90.978 22.204,90.978 ccw(c22.204,92.241) MN68.1@23.097,91.348 MN71.2@24.147,91.348
TXRF22_1BB_P: MN65.1 MN68.2 T12.1 | length 4
  Top w0.2: T12.1@20.687,93.518 21.277,93.518 cw(c21.277,91.238) 22.889,92.85 cw(c22.387,92.348) MN68.2@23.097,92.348 23.747,92.348 MN65.1@24.147,92.348
TXRF22_2AB_N: IC2.B14 MN77.1 MN83.2 MN87.2 | length 7.4
  Top w0.2: MN87.2@26.27,98.035 MN83.2@27.012,97.292 MN77.1@27.755,96.55 27.889,96.416 cw(c27.53,96.057) 28.038,96.057 28.038,96.011 ccw(c28.546,96.011) 28.187,95.652 28.734,95.104 31.052,92.786 cw(c31.052,92.563) 31.21,92.721 IC2.B14@31.245,92.686
TXRF22_2AB_P: IC2.A13 MN78.1 MN81.2 MN83.1 | length 7.4
  Top w0.2: MN81.2@25.563,97.328 MN83.1@26.305,96.585 26.765,96.126 MN78.1@27.048,95.843 27.182,95.709 ccw(c27.541,96.068) 27.541,95.56 27.587,95.56 cw(c27.587,95.052) 27.946,95.411 28.494,94.864 30.812,92.546 ccw(c31.035,92.546) 30.877,92.388 IC2.A13@30.912,92.353
TXRF22_2BB_N: MN85.1 MN87.1 T13.4 | length 3.3
  Top w0.2: T13.4@23.661,101.733 T13.4@23.868,101.525 ; T13.4@24.368,101.025 cw(c23.291,99.948) 24.815,99.948 24.815,99.855 ccw(c25.696,99.855) 25.073,99.232 ; MN85.1@24.82,99.484 25.28,99.025 MN87.1@25.563,98.742
TXRF22_2BB_P: MN81.1 MN85.2 T13.6 | length 3.3
  Top w0.2: T13.6@21.865,99.937 T13.6@22.072,99.729 ; T13.6@22.572,99.229 ccw(c23.65,100.307) 23.65,98.783 23.743,98.783 ; 23.743,98.783 cw(c23.743,97.902) 24.366,98.525 ; MN85.2@24.113,98.777 MN81.1@24.856,98.035